# Altium PCB V2.PcbDoc
Units mm, origin at the board's own origin, x right, y up, seen from the top; angles counter-clockwise.
Board outline 70 x 161.3 mm, 2 copper layers (Top Layer, Bottom Layer); 90 components, 54 nets, 232 pads, 0 vias.
Unrouted connection lines stored in the file: 158.
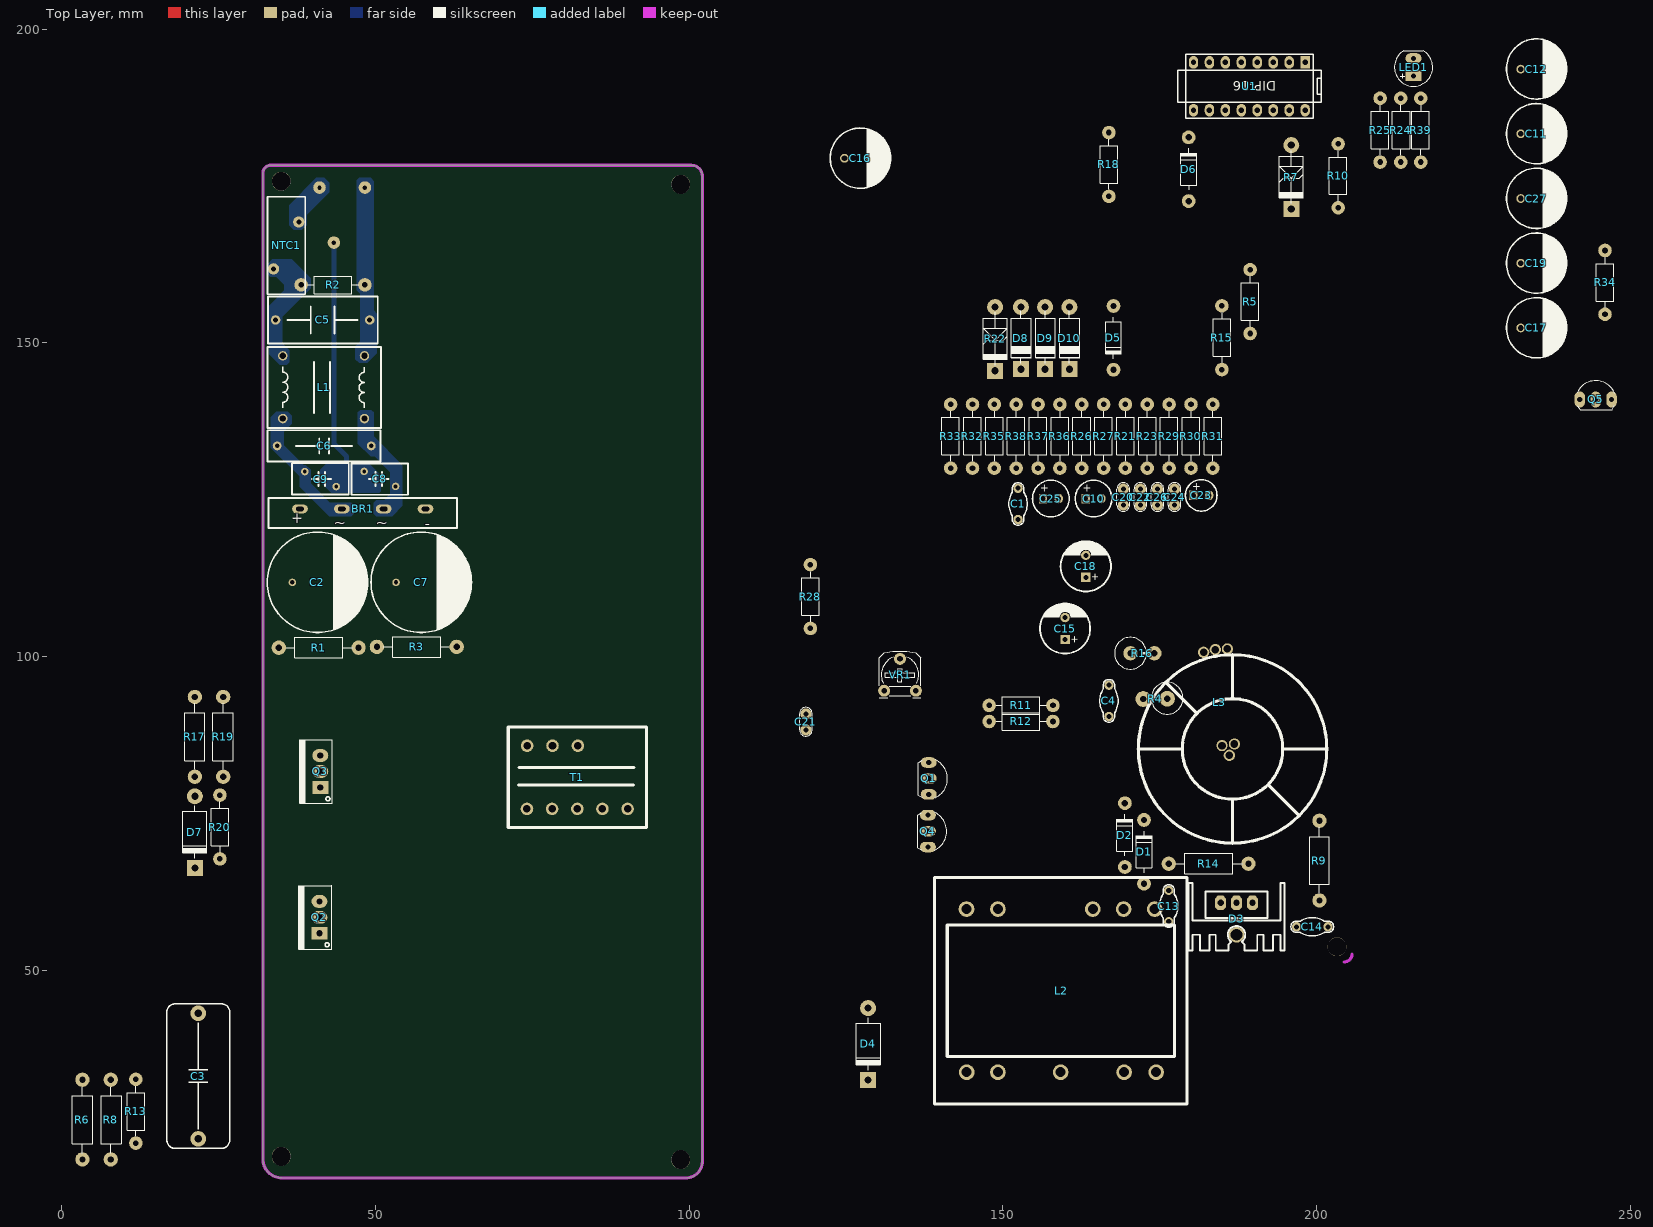
[diagram p0: Top Layer view]
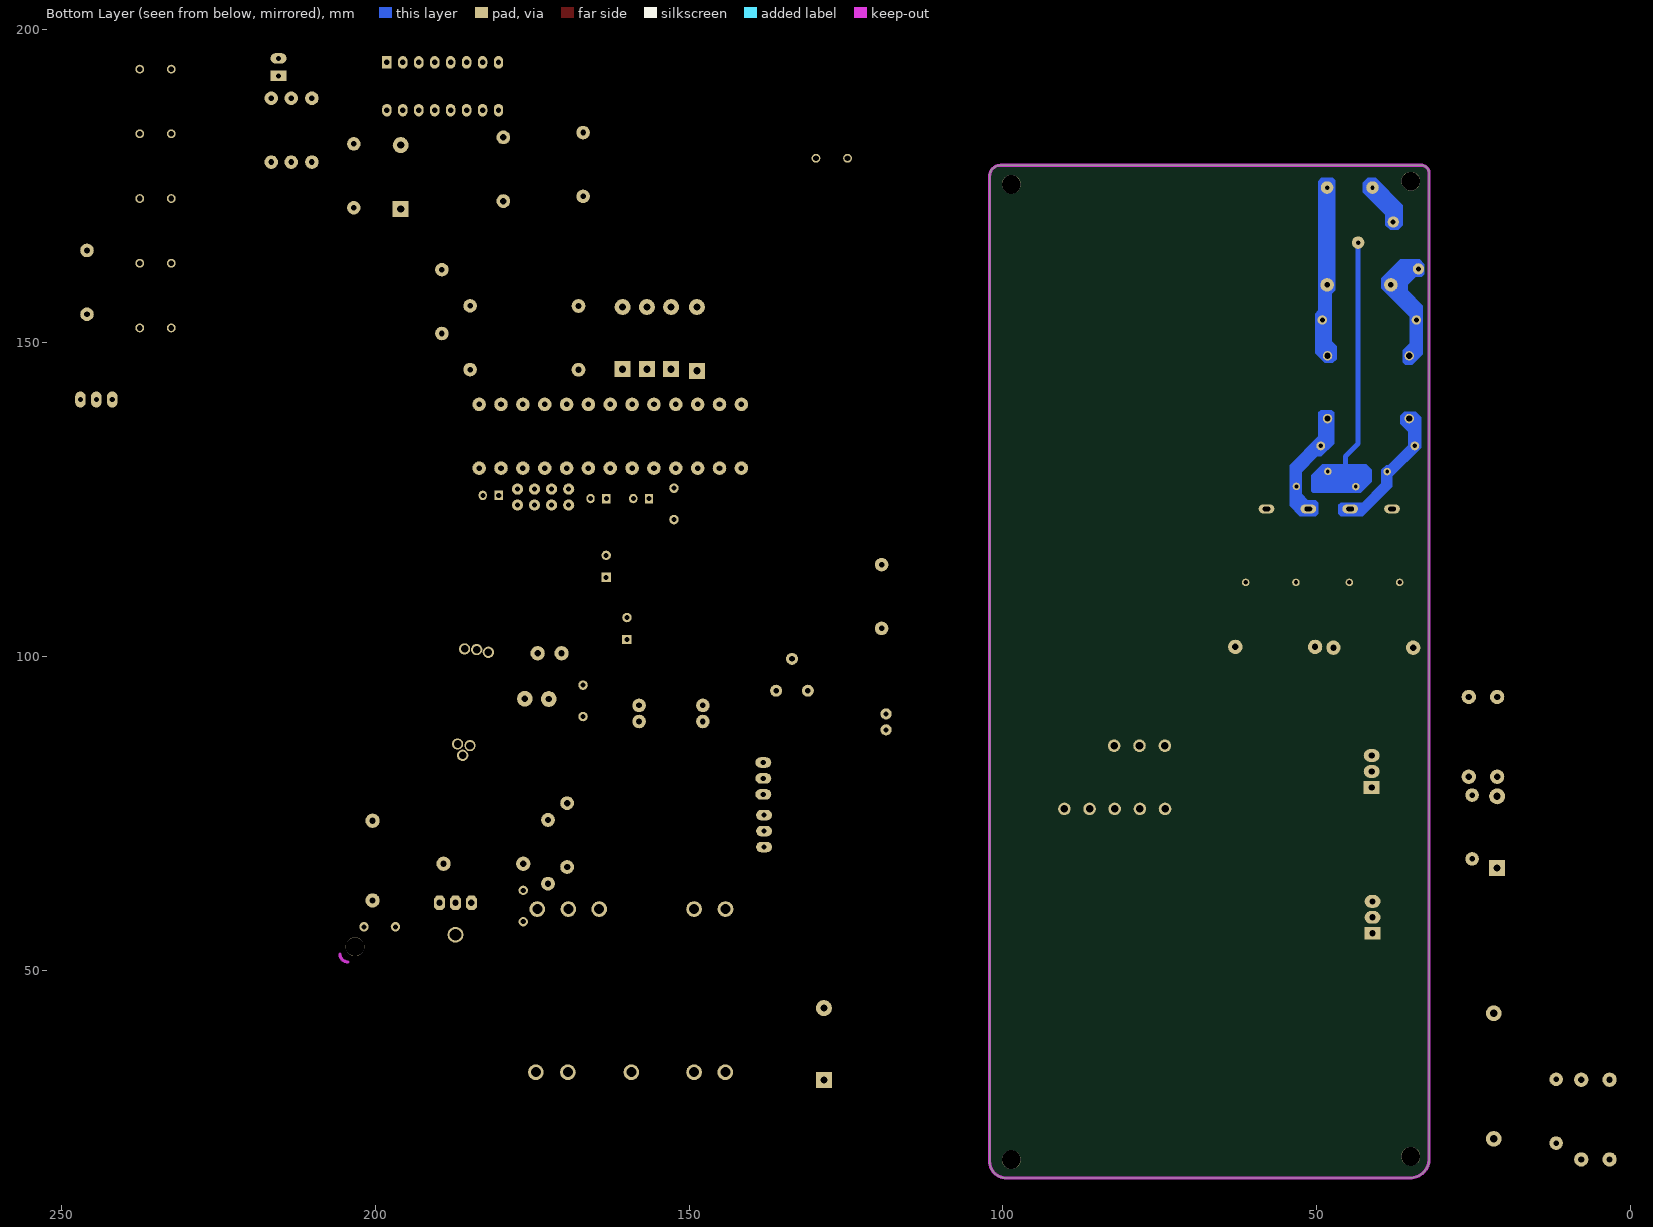
[diagram p1: Bottom Layer view, seen from below]

## Layer stack, top to bottom
Top Solder: solder mask 0.0102, Solder Resist, Dk 3.5
Top Layer: signal copper 0.0356
Dielectric 1: dielectric 0.32, FR-4, Dk 4.8
Bottom Layer: signal copper 0.0356
Bottom Solder: solder mask 0.0102, Solder Resist, Dk 3.5

## Board outline
32.131,20.052 ccw(c35.163,20.052) 35.163,17.02 99.481,17.005 ccw(c99.481,19.655) 102.131,19.655 102.131,176.553 ccw(c100.376,176.553) 100.376,178.308 33.401,178.308 ccw(c33.401,177.038) 32.131,177.038 32.131,177.005

## Design rules (kind name [scope] priority, off if disabled: settings)
Clearance [All] p1: gap=0.35 ignorepadtopadclearanceinfootprint=FALSE
PolygonConnect [All] p1: connectstyle=Relief reliefconductorwidth=0.254 reliefentries=4 polygonreliefangle="90 Angle" airgapwidth=0.254
RoutingVias [All] p1: holewidth=0.711 width=1.27 viastyle="Through Hole" minholewidth=0.711 minwidth=1.27 maxholewidth=0.711 maxwidth=1.27
SolderMaskExpansion [All] p1: expansion=0.102 istentingtop=FALSE
Width [All] p1: maxlimit=2 minlimit=0.254 preferedwidth=0.254
30 further rules are at their usual default settings.

## Components (designator, comment, footprint, x,y, rotation, side; value= is the part's Value field where it differs from the comment)
BR1 "KBJ410" KDJ410 33.039,125.311 r90 top
C1 "103/1kV" JY103M_2KV 152.407,124.371 r90 top
C2 "220uF/250V" CAP-8MM 40.767,111.887 r0 top
C3 "105J/400V" CAP-POLY-22mm 21.844,33.241 r270 top
C4 "102/1kV" JY103M_2KV 166.878,93.004 r90 top
C5 "X2 0.22uF" "X2 0.22uF" 42.037,153.67 r270 top
C6 "X2 0.1uF" "X2 0.1uF" 41.893,133.604 r270 top
C7 "220uF/250V" CAP-8MM 57.277,111.887 r0 top
C8 "JNC222" MOV-7D 51.791,131.496 r0 top
C9 "JNC222" MOV-7D 40.284,125.171 r180 top
C10 "47uf/50V" C6mm 164.424,125.221 r0 top value=?
C11 "1000uF/16V" CAP-5MM 235.353,182.877 r0 top
C12 "1000uF/16V" CAP-5MM 235.353,193.184 r0 top
C13 "102/1kV" JY103M_2KV 176.403,60.325 r270 top
C14 "102/1kV" JY103M_2KV 199.263,57.023 r180 top
C15 "4.7uF/63V" CA-ALU-8R 159.893,104.521 r90 top value=104
C16 "1000uF/16V" CAP-5MM 127.657,178.98 r0 top
C17 "1000uF/16V" CAP-5MM 235.353,151.957 r0 top
C18 "4.7uF/63V" CA-ALU-8R 163.195,114.427 r90 top value=104
C19 "1000uF/16V" CAP-5MM 235.353,162.264 r0 top
C20 "2A222J" CN1 169.17,125.454 r90 top value=33pF
C21 "2A333J" CN1 118.618,89.662 r90 top value=33pF
C22 "2A103J" CN1 171.887,125.454 r90 top value=33pF
C23 "1uF/63V" C5mm 181.578,125.73 r0 top value=?
C24 "2A103J" CN1 177.323,125.454 r90 top value=33pF
C25 "47uf/50V" C6mm 157.633,125.221 r0 top value=?
C26 "2A102J" CN1 174.605,125.454 r90 top value=33pF
C27 "1000uF/16V" CAP-5MM 235.353,172.57 r0 top
D1 "FR107" DO41-1A 172.466,63.881 r270 top value=1N4007
D2 "FR107" DO41-1A 169.418,66.548 r270 top value=1N4007
D3 "MBR30100" QTO-220H3 189.738,60.833 r180 top
D4 "FR157" D2A 128.524,32.639 r90 top
D5 "1N4007" DO41-1A 167.603,155.897 r90 top
D6 "1N4007" DO41-1A 179.578,172.593 r270 top
D7 "FR157" D2A 21.298,66.37 r90 top
D8 "1N4148" DIO-2A 152.856,145.186 r90 top value=1N5007
D9 "1N4148" DIO-2A 156.716,145.186 r90 top value=1N5007
D10 "1N4148" DIO-2A 160.577,145.186 r90 top value=1N5007
L1 "INDUC-FILT" LF 41.656,142.527 r0 top
L2 "EE40" TRANSFOMER 159.258,47.117 r90 top
L3 "INDUC-FIL_DC" INDUCFIL_DC 186.461,85.344 r90 top
LED1 "LED" LED-5-BLUE 215.392,193.929 r90 top value="LED 3 ly Single Colour"
NTC1 "5D13" XD-13 35.87,165.481 r0 top
Q1 "C2633" TO92-123 138.176,80.645 r270 top value=C1815
Q2 "13009" QTO-220 41.148,55.981 r90 top value=TIP41
Q3 "13009" QTO-220 41.275,79.222 r90 top value=TIP41
Q4 "C2633" TO92-123 138.049,72.263 r270 top value=C1815
Q5 "C1815" TO92-123 244.399,140.999 r0 top
R1 "150K" R1W 34.671,101.473 r0 top value="R1W - 100"
R2 "820K" R1/2W 48.387,159.258 r180 top value="R1W - 100"
R3 "150K" R1W 62.992,101.6 r180 top value="R1W - 100"
R4 "100R" R2WD 171.069,93.294 r0 top value="R2W - 47"
R5 "3.9K" R1/2W 189.357,151.511 r90 top value="R1/4W - 1K"
R6 "300K" R1W 3.397,32.664 r270 top value="R1W - 100"
R7 "ZENNER" DIO-2A-ZEN 195.923,170.713 r90 top
R8 "2.2R" R1W 7.905,32.664 r270 top value="R1W - 100"
R9 "100R" R1W 200.406,61.214 r90 top value="R1W - 100"
R10 "1.5K" R1/2W 203.391,171.539 r90 top value="R1/4W - 1K"
R11 "0.01R" R1/2W 157.964,92.272 r180 top value="R1/4W - 1K"
R12 "0.01R" R1/2W 157.964,89.718 r180 top value="R1/4W - 1K"
R13 "3.9K" R1/2W 11.899,32.728 r270 top value="R1/4W - 1K"
R14 "100R" R1W 176.403,67.056 r0 top value="R1W - 100"
R15 "15R" R1/2W 184.875,145.758 r90 top value="R1/4W - 1K"
R16 "1.5K" R1WD 175.387,100.584 r180 top value="R1W - 100"
R17 "300K" R1W 21.304,80.924 r90 top value="R1W - 100"
R18 "15R" R1/2W 166.878,183.515 r270 top value="R1/4W - 1K"
R19 "2.2R" R1W 25.812,80.924 r90 top value="R1W - 100"
R20 "3.9K" R1/2W 25.286,77.991 r270 top value="R1/4W - 1K"
R21 "3.9K" R1/2W 169.507,130.061 r90 top value="R1/4W - 1K"
R22 "ZENNER" DIO-2A-ZEN 148.741,144.932 r90 top
R23 "1.5K" R1/2W 172.987,130.061 r90 top value="R1/4W - 1K"
R24 "9.1K" R1/2W 213.36,188.976 r270 top value="R1/4W - 1K"
R25 "680R" R1/2W 210.058,178.816 r90 top value="R1/4W - 1K"
R26 "5.6K" R1/2W 162.547,130.061 r90 top value="R1/4W - 1K"
R27 "100K" R1/2W 166.027,130.061 r90 top value="R1/4W - 1K"
R28 "2.2K" R1/2W 119.342,104.534 r90 top value="R1/4W - 1K"
R29 "47K" R1/2W 176.466,130.061 r90 top value="R1/4W - 1K"
R30 "5.6K" R1/2W 179.946,130.061 r90 top value="R1/4W - 1K"
R31 "6.8K" R1/2W 183.426,130.061 r90 top value="R1/4W - 1K"
R32 "5.6K" R1/2W 145.148,130.061 r90 top value="R1/4W - 1K"
R33 "10K" R1/2W 141.668,130.061 r90 top value="R1/4W - 1K"
R34 "100K" R1/2W 245.885,154.572 r90 top value="R1/4W - 1K"
R35 "1.5K" R1/2W 148.628,130.061 r90 top value="R1/4W - 1K"
R36 "22K" R1/2W 159.067,130.061 r90 top value="R1/4W - 1K"
R37 "1.2K" R1/2W 155.588,130.061 r90 top value="R1/4W - 1K"
R38 "12K" R1/2W 152.108,130.061 r90 top value="R1/4W - 1K"
R39 "2.2K" R1/2W 216.535,178.816 r90 top value="R1/4W - 1K"
T1 "ISOLATE" TRANFOMER_ISOLATE 80.543,77.953 r270 top
U1 "TL494CJ" DIP16 189.23,190.881 r180 top
VR1 "1K" VR 131.064,94.615 r0 top value="VR 10K"

## Footprints (in the part's own frame and the unit in brackets; to place one, negate y for a bottom-side part, rotate by r counter-clockwise, add the part's x,y. Pads: shape width x height; smd on the part's side, far side on the other; paste and mask are expansions set on the pad)
C5mm [mm]
  rect 1.3x1.5 hole 0.8: 1(-1.27,0)
  oval 1.3x1.5 hole 0.8: 2(1.27,0)
  silkscreen extent -2.51,-2.51 2.51,2.51, body extent -2.5,-2.5 2.49,2.5, height 11.01
C6mm [mm]
  rect 1.3x1.5 hole 0.8: 1(-1.25,0)
  oval 1.3x1.5 hole 0.8: 2(1.25,0)
  silkscreen extent -2.92,-2.92 2.92,2.92, body extent -3.15,-3.15 3.13,3.15, height 11.51
CA-ALU-8R [mm] "Polarized capacitors, Aluminum Electrolytic Capacitors, 2-Leads, Body 8x16x3.5x0.5"
  rect 1.5x1.5 hole 0.8: 1(-1.75,0)
  round 1.5 hole 0.8: 2(1.75,0)
  silkscreen extent -4,-4 4,4, body extent -3.94,-4 4.05,4, height 16.5
CAP-5MM [mm]
  round 1.4 hole 0.9: 1(-2.896,0.432) 2(2.134,0.432)
  silkscreen extent -5.15,-4.34 4.44,5.26, body extent -5.36,-4.54 4.64,5.46, height 16.5
CAP-8MM [mm]
  round 1.2 hole 0.7: 1(-3.937,-0.025) 2(4.064,-0.025)
  silkscreen extent -7.92,-8 8.08,8, body extent -7.92,-8 8.08,8, height 26.5
CAP-POLY-22mm [mm]
  round 2.5 hole 1.2: 1(-10,0) 2(10,0)
  silkscreen extent -11.5,-5 11.5,5, body extent -12,-4.75 12,4.76, height 17.5
CN1 [mil]
  round 70 hole 31: 1(-50,0) 2(50,0)
  silkscreen extent -90,-40 91,40, body extent -115,-33 115,33, height 265
D2A [mil] "Diode 2A, W 150mil, L 450mil"
  round 100 hole 45: 1(450,0)
  rect 100x100 hole 45: 2(0,0)
  silkscreen extent 61,-75 391,75, body extent 2,-51 436,55, height 109
DIO-2A [mil] "Diode 2A, W 150mil, L 450mil"
  round 100 hole 45: 1(415,0)
  rect 100x100 hole 45: 2(25,0)
  silkscreen extent 61,-65 391,60, body extent 4,-65 436,61, height 113
DIO-2A-ZEN [mil]
  round 100 hole 45: 1(425,0)
  rect 100x100 hole 45: 2(25,0)
  silkscreen extent 61,-75 391,75, body extent 10,-50 440,51, height 100
DIP16 [mm]
  rect 1.5x2 hole 0.864: 1(-8.897,-3.812)
  oval 1.5x2 hole 0.864: 2(-6.357,-3.812) 3(-3.817,-3.812) 4(-1.277,-3.812) 5(1.263,-3.812) 6(3.803,-3.812) 7(6.343,-3.812) 8(8.883,-3.812) 9(8.883,3.808) 10(6.343,3.808) 11(3.803,3.808) 12(1.263,3.808) 13(-1.277,3.808) 14(-3.817,3.808) 15(-6.357,3.808) 16(-8.897,3.808)
  silkscreen extent -11.44,-5.08 11.42,5.08, body extent -10,-3.93 10,3.94, height 1.99
DO41-1A [mm] "Diode 1A, W 100mil, L 350mil"
  round 2.2 hole 1: 1(0,0) 2(-10.16,0)
  silkscreen extent -8.38,-1.27 -1.78,1.27, body extent -10.59,-1.24 0.43,1.46, height 3.28
INDUCFIL_DC [mm]
  round 1.8 hole 1.2: 1(-1.016,0.406) 2(0.533,1.575) 3(0.787,-0.406) 4(15.392,4.496) 5(15.824,2.642) 6(15.926,0.711)
  silkscreen extent -15.04,-15.14 15.04,14.94, body extent -16.09,-16.34 16.09,16.13, height 16.5
JY103M_2KV [mm]
  round 1.5 hole 0.8: 1(-2.5,0) 2(2.5,0)
  silkscreen extent -3.4,-1.47 3.4,1.47, body extent -4,-1.25 4,1.26, height 10.35
KDJ410 [mm]
  oval 1.4x2.5 hole 1.2 slot 0.7 at 0 deg: 1(-1.74,-5) 2(-1.74,-11.665) 3(-1.74,-18.33) 4(-1.74,-24.996)
  silkscreen extent -4.8,-30 0,0, body extent -4.8,-30 0,0, height 26.25
LED-5-BLUE [mil] "LED 2 PIN, 5 ly , Only colour, pin to pin 110mil"
  rect 65x100 hole 32: 1(-55,0)
  oval 65x100 hole 32: 2(55,0)
  silkscreen extent -120,-120 104,120, body extent -113,-120 100,117, height 339
LF [mm]
  round 1.5 hole 1: 1(-6.35,5.428) 2(-6.35,-4.572) 3(6.65,5.428) 4(6.65,-4.572)
  silkscreen extent -8.76,-6.1 9.27,6.86, body extent -7.67,-5.02 7.93,5.78, height 19.75
MOV-7D [mm]
  round 1.2 hole 0.6: 1(-3.531,-1.956) 2(1.473,-4.343)
  silkscreen extent -5.52,-5.67 3.48,-0.67, body extent -5.52,-5.67 3.48,-0.67, height 14.5
QTO-220 [mil] "TO-220 - 1-2-3"
  rect 80x100 hole 39: 1(0,0)
  oval 80x100 hole 39: 2(100,0) 3(200,0)
  silkscreen extent -100,-76 300,130, body extent -119,-64 322,121, height 755
QTO-220H3 [mil] "TO-220 1-2-3"
  oct 70x90 hole 40: 1(0,0) 2(100,0) 3(200,0)
  round 100 hole 75: 2(100,200)
  silkscreen extent -200,-125 400,300, body extent -190,-102 392,323, height 984
R1/2W [mil] "R 1/2W, 2 pin, 300mil"
  round 85 hole 35: 1(0,0) 2(400,0)
  silkscreen extent 42,-55 356,55, body extent -12,-45 414,49, height 91
R1W [mil] "R 1W, 2 pin, 500mil"
  round 90 hole 39.37: 1(0,0) 2(500,0)
  silkscreen extent 46,-63 460,65, body extent 4,-79 478,79, height 157
R1WD [mil] "R 1W, 2 pin, 500mil"
  round 90 hole 39.37: 1(50,0) 2(200,0)
  silkscreen extent 95,-100 300,100
R2WD [mm] "R2W, 2 pin, 700mil"
  round 2.5 hole 1: 1(1.27,0) 2(5.08,0.051)
  silkscreen extent 2.16,-2.41 7.62,2.66
TO92-123 [mil] "TO-92"
  oval 66x100 hole 32: 1(-100,0) 2(0,0) 3(100,0)
  silkscreen extent -117,-65 120,118, body extent -109,-66 109,95, height 245
TRANFOMER_ISOLATE [mm]
  round 2 hole 1.2: 1(-7.899,1.753) 2(-7.899,-2.286) 3(-7.899,-6.325) 4(2.159,-6.35) 5(2.159,-2.343) 6(2.159,1.664) 7(2.159,5.671) 8(2.159,9.677)
  silkscreen extent -10.9,-9.32 5.1,12.68, body extent -10.9,-9.32 5.1,12.68, height 17
TRANSFOMER [mm]
  round 2.5 hole 1.6: 1(-13.259,15.037) 2(-13.259,10.058) 3(-13.259,0.076) 4(-13.259,-10.033) 5(-13.259,-15.138) 6(12.725,-14.91) 7(12.725,-9.957) 8(12.725,-5.055) 9(12.725,10.058) 10(12.725,15.062)
  silkscreen extent -18.3,-20.05 17.74,20.15, body extent -18.3,-20.05 17.74,20.15, height 32.94
VR [mil] "Resistor Variable"
  round 75 hole 35: 1(0,0) 2(100,200) 3(200,0)
  silkscreen extent -31,-44 231,246, body extent -87,-30 307,372, height 165
"X2 0.1uF" [mm]
  round 1.4 hole 0.7: 1(0,7.493) 2(0,-7.493)
  silkscreen extent -2.5,-9 2.5,9, body extent -2.5,-9 2.5,9, height 11
"X2 0.22uF" [mm]
  round 1.5 hole 0.8: 1(0,7.112) 2(0,-7.874)
  silkscreen extent -3.75,-9.12 3.75,8.38, body extent -3.75,-9.12 3.75,8.38, height 14
XD-13 [mm]
  round 1.8 hole 0.8: 1(1.981,3.785) 2(-2.032,-3.683)
  silkscreen extent -3,-7.72 3,7.78, body extent -3.03,-7.7 2.97,7.8, height 20.5

## Part data
BR1: library part DIODE-BRIDGE
C1 C4 C13 C14: library part CAP, "Cap often used"
C2 C7 C11 C12 C16 C17 C19 C27: library part CAP-ELEC
C3: library part CAP-POLY, "CAP-POLY"
C5 C6: library part CAP_MKP
C8 C9: library part MOV
C10 C23 C25: library part CAP-Radial, "CAP-Radial", LatestRevisionDate=17-Jul-2002, LatestRevisionNote="Re-released for DXP Platform.", PackageReference=POLAR0.8, Published=8-Jun-2000, Publisher="Altium Limited"
C15 C18: library part CAP-ALU-DIP, "CAP-ALU-DIP", LatestRevisionDate=17-Jul-2002, LatestRevisionNote="Re-released for DXP Platform.", PackageReference=C1206, Publisher="Altium Limited"
C20 C21 C22 C24 C26: library part CAP-gom, "CAP-gom"
D1 D2 D5 D6: library part "Diode  1N4007", "Diode 1A"
D3: library part MBRF20200C, "DIODE Schottky Barrier / Power / RECTIFIERS / 20 AMPERES / 200 VOLTS"
D4 D7: library part "Diode Normal", "Diode Normal", Code_JEDEC=DO-204-AH, ComponentLink1Description="Manufacturer Link", ComponentLink1URL=http://www.fairchildsemi.com/, ComponentLink2Description=Datasheet, ComponentLink2URL=http://www.fairchildsemi.com/ds/1N%2F1N4448.pdf, DatasheetDocument=1997, LatestRevisionDate=17-Jul-2002, LatestRevisionNote="Re-released for DXP Platform.", PackageReference=DO-35, Published=8-Jun-2000, Publisher="Altium Limited"
D8 D9 D10: library part Diode, "Default Diode", Code - JEDEC=DO-214-AB, Published=8-Jun-2000, Publisher="Altium Limited", Revision="July-2002: Re-released for DXP Platform."
L2: library part TRANSFOMER
LED1: "LED Single colour Green and Red"
NTC1: library part NTC
Q1 Q4 Q5: library part 2SC1815, "NPN 600mW, ECB"
Q2 Q3: library part NPN_BCE, "P 1W, BCE"
R1 R2 R3 R6 R8 R9 R14 R16 R17 R19: library part R1W, "Resistor 1W"
R4: library part R2W, "Resistor 2W"
R5 R10 R11 R12 R13 R15 R18 R20 R21 R23 R24 R25 R26 R27 R28 R29 R30 R31 R32 R33 R34 R35 R36 R37 R38 R39: library part R1/4W, "Resistor 1/4W"
R7 R22: library part "DIODE Zener", "Zenner"
T1: library part TRANSFOMER-ISOLATE
U1: "Pulse-Width-Modulation Control Circuit", ComponentLink1Description="Manufacturer Link", ComponentLink1URL=http://www.ti.com/, DatasheetVersion=Oct-1988, LatestRevisionDate=06-Jun-2005, LatestRevisionNote="Stylized 3D Model Added.", PackageDescription="DIP; 16 Leads; Row Spacing 7.62 mm; Pitch 2.54 mm", PackageReference=J016, PackageVersion=Jun-1999, Published=15-Apr-2002, Publisher="Altium Limited"
VR1: library part VR, "Var Resistor"

## Free pads (board coordinates)
  round 2 hole 0.7: 5(48.387,174.752) 6(43.434,165.989) AC-L(41.148,174.752)
  round 3 hole 3: ""(35.052,20.447) ""(35.052,175.768) ""(98.679,19.939) ""(98.679,175.26) ""(203.2,53.848)

## Nets (pads, with @x,y where several pads share a name; then routed paths per layer and width w, separated by ;. In a path a pad name is that pad's centre, name@x,y a point inside that pad or via, vN(x,y) a via of type N, cw(c..) or ccw(c..) an arc to the next point about the centre after c; other vN are vias at no path point)
4_TL494: C25.1 D10.1 Q5.2 R30.2
+12V: C11.1 C12.1 C16.1 C17.1 C19.1 C21.1 C27.1 L3.4 L3.5 L3.6 R24.2 R31.2 R39.1
+310V: BR1.1 C2.1 D4.2 Q2.2 R1.1 R6.1
AC-L: NTC1.1 pad.AC-L
AC-N: C5.1 L1.3 pad.5 R2.1
EARTH: C8.1 C9.1 pad.6 | length 37.2
  Bottom Layer w0.8: pad.6 43.434,133.985 45.466,131.953 45.466,129.667
GND_IN: BR1.4 C1.1 C7.2 D7.1 Q3.3 R3.1 R20.2 T1.6
GND_OUT: C1.2 C11.2 C12.2 C16.2 C17.2 C19.2 C20.1 C25.2 C26.1 C27.2 D9.2 LED1.2 Q5.1 R10.1 R11.1 R12.1 R23.1 R32.1 R35.2 R36.1 R38.2 U1.7 U1.9 U1.10 U1.16 VR1.1 VR1.2
GND_PRI: C10.2 L2.3 L2.4 L2.5 R11.2 R12.2 R37.2
IN1+: C20.2 R25.1 R28.1 U1.1
NetBR1_2: BR1.2 C6.2 C9.2 L1.2
NetBR1_3: BR1.3 C6.1 C8.2 L1.4
NetC2_2: C2.2 C3.1 C7.1 R1.2 R3.2
NetC3_2: C3.2 C4.1 L2.2
NetC4_2: C4.2 R4.1
NetC5_2: C5.2 L1.1 NTC1.2 R2.2
NetC13_1: C13.1 R14.1
NetC13_2: C13.2 D3.3 L2.8
NetC14_1: C14.1 R9.1
NetC14_2: C14.2 D3.1 L2.6 L2.7
NetC15_1: C15.1 D5.1 T1.8
NetC15_2: C15.2 R6.2 R8.2 R13.1 R15.2
NetC18_1: C18.1 D6.1 T1.4
NetC18_2: C18.2 R17.2 R18.2 R19.2 R20.1
NetC21_2: C21.2 R24.1 R25.2
NetC22_1: C22.1 R33.1 U1.3
NetC22_2: C22.2 R29.1
NetC23_1: C23.1 R26.1 R27.1 R30.1 R34.1 U1.13 U1.14
NetC23_2: C23.2 D10.2 R34.2 R38.1 U1.4
NetC24_1: C24.1 R33.2
NetC24_2: C24.2 R27.2 R37.1 U1.15
NetC26_2: C26.2 U1.5
NetD1_1: D1.1 L2.10
NetD2_1: D2.1 L2.9
NetD3_2: D3.2 L3.1 L3.2 L3.3 R9.2 R14.2
NetD4_1: D4.1 D7.2 Q2.3 Q3.2 R13.2 R17.1 T1.7
NetD5_2: D5.2 R15.1
NetD6_2: D6.2 R18.1
NetD8_2: D8.2 D9.1
NetLED1_1: LED1.1 R39.2
NetQ1_2: Q1.2 R7.2 T1.1
NetQ2_1: Q2.1 R8.1
NetQ3_1: Q3.1 R19.1
NetQ5_3: Q5.3 R31.1 R35.1
NetR16_2: R16.2 T1.2
NetR26_2: R26.2 R29.2 R32.2 U1.2
NetR28_2: R28.2 VR1.3
NetR36_2: R36.2 U1.6
OUT1: Q1.3 R5.1 R10.2 U1.8
OUT2: Q4.3 R21.1 R23.2 U1.11
OUT_2ISO: Q4.2 R22.2 T1.3
PULL: D8.1 Q1.1 Q4.1 R7.1 R22.1
SWI: L2.1 R4.2 T1.5
VCC_TL494: C10.1 D1.2 D2.2 R5.2 R16.1 R21.2 U1.12

## Keep-outs
Keep-Out Layer:
  lines w0.5: 32.131,177.005 32.131,20.052 ccw(c35.163,20.052) 35.163,17.02 99.481,17.005 ccw(c99.481,19.655) 102.131,19.655 102.131,29.578 102.131,176.553 ccw(c100.376,176.553) 100.376,178.308 98.425,178.308 33.401,178.308 ccw(c33.401,177.038) 32.131,177.038 ; 204.333,51.422 ccw(c204.333,52.692) 205.603,52.692

## Other copper
Bottom Layer:
  region net EARTH: 50.673,126.111 50.927,126.365 50.927,128.905 49.149,130.683 42.164,130.683 41.275,129.794 41.275,127.889 43.053,126.111
  region net NetBR1_2: 34.29,139.065 36.068,139.065 36.703,138.43 36.703,137.16 35.433,135.89 35.433,133.731 38.608,130.556 38.989,130.556 39.751,129.794 39.751,127.635 42.799,124.587 46.228,124.587 46.609,124.206 46.609,122.809 46.228,122.428 42.672,122.428 37.973,127.127 37.973,128.778 33.401,133.35 33.401,138.176
  region net NetBR1_3: 47.625,139.319 49.403,139.319 49.784,138.938 49.784,135.128 54.356,130.556 54.356,124.079 52.705,122.428 50.165,122.428 49.784,122.809 49.784,124.587 50.165,124.968 51.435,124.968 52.451,125.984 52.451,129.413 49.911,131.953 49.276,131.953 47.244,133.985 47.244,138.938
  region net AC-N: 47.498,176.276 49.276,176.276 49.784,175.768 49.784,155.194 50.292,154.686 50.292,148.336 48.768,146.812 47.498,146.812 46.863,147.447 46.863,149.479 47.625,150.241 47.625,157.861 47.117,158.369 47.117,175.895
  region net NetC5_2: 33.655,163.322 36.703,163.322 39.751,160.274 39.751,158.75 35.179,154.178 35.179,149.987 36.322,148.844 36.322,146.939 35.941,146.558 34.798,146.558 33.147,148.209 33.147,155.956 35.56,158.369 35.56,159.258 34.29,160.528 33.274,160.528 32.893,160.909 32.893,162.56
  region net AC-L: 40.64,176.276 41.91,176.276 42.672,175.514 42.672,173.99 39.116,170.434 39.116,168.783 38.354,168.021 37.084,168.021 36.322,168.783 36.322,171.958

## Text inside footprints (layer, text, board x,y; h text height)
BR1: Top Overlay "~" at 52.063,122.615 h3 r180; Top Overlay "-" at 58.769,122.332 h3 r180; Top Overlay "~" at 45.383,122.64 h3 r180; Top Overlay "+" at 38.963,121.069 h3 r90
C10: Top Overlay "+" at 162.722,126.339 h1.2
C15: Top Overlay "+" at 162.306,102.108 h2 r90
C18: Top Overlay "+" at 165.608,112.014 h2 r90
C23: Top Overlay "+" at 180.181,126.568 h1.2
C25: Top Overlay "+" at 155.931,126.339 h1.2
U1: Top Overlay "DIP-16" at 193.555,191.645 h1.5 r180